# Altium PCB PCB2.PcbDoc (part 3 of 3)
Units mil, origin at the board's own origin, x right, y up, seen from the top; angles counter-clockwise.
Board outline 8661.42 x 5433.07 mil, 2 copper layers (Top Layer, Bottom Layer); 304 components, 0 nets, 1026 pads, 1089 vias.
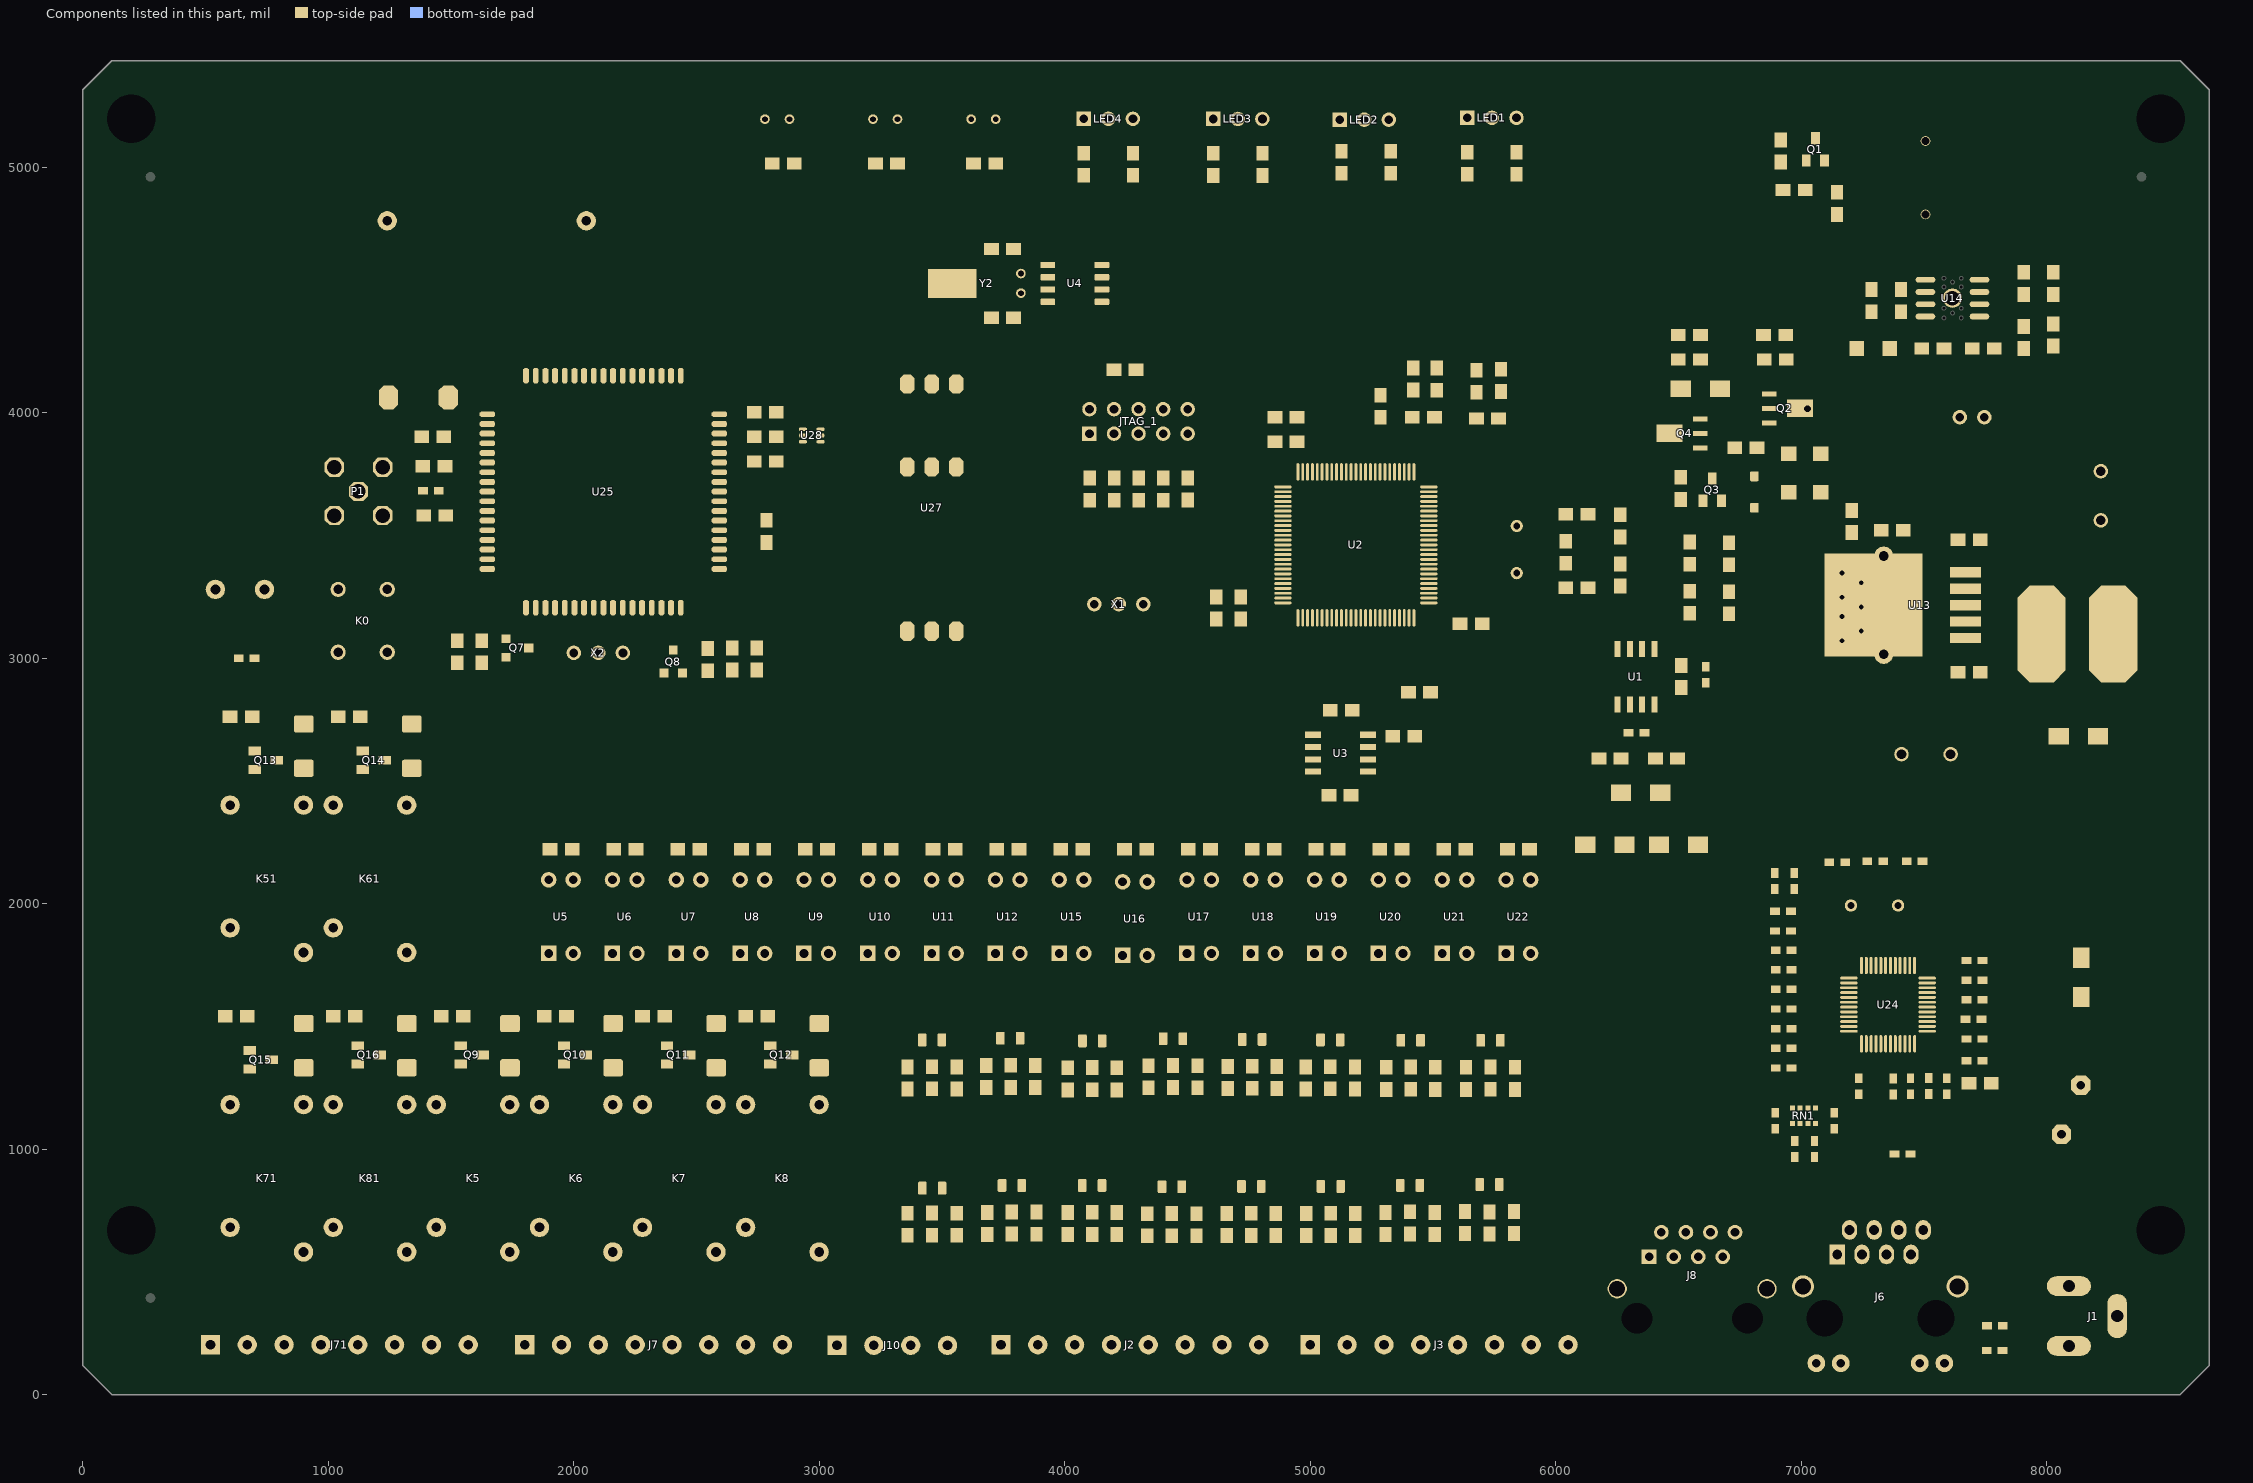
[diagram p3: the components of this part, seen from the top]

## Via types
v1: diameter 19.68, hole 11.81, Top Layer to Bottom Layer, tented both sides, 1079 vias
v2: diameter 39.37, hole 19.68, Top Layer to Bottom Layer, tented both sides, 6 vias
v3: diameter 27.56, hole 19.68, Top Layer to Bottom Layer, tented both sides, 2 vias
v4: diameter 27.56, hole 11.81, Top Layer to Bottom Layer, tented both sides, 1 vias
v5: diameter 47.24, hole 19.68, Top Layer to Bottom Layer, tented both sides, 1 vias

## Nets (pads, with @x,y where several pads share a name; then routed paths per layer and width w, separated by ;. In a path a pad name is that pad's centre, name@x,y a point inside that pad or via, vN(x,y) a via of type N, cw(c..) or ccw(c..) an arc to the next point about the centre after c; other vN are vias at no path point) (continued)
copper on no net: (continued)
  other v1: 3287.4,78.74 3828.74,78.74 4045.28,78.74 4320.87,78.74 6460.63,78.74 3454.72,88.58 3572.83,88.58 3681.1,88.58 4183.07,88.58 4685.04,88.58 4842.52,98.43 3937.01,118.11 6314.96,125.98 4537.4,127.95 6944.88,153.54 6842.52,169.29 6696.85,177.17 6437.01,192.91 6637.8,267.72 6452.76,350.39 6637.8,370.08 5374.02,393.7 5974.41,393.7 4714.57,403.54 5226.38,403.54 4124.02,413.39 4419.29,413.39 4566.93,413.39 4862.2,413.39 4921.26,413.39 5059.06,413.39 4271.65,442.91 4714.57,462.6 6598.43,464.57 4566.93,472.44 4419.29,482.28 4271.65,511.81 3641.73,551.18 3720.47,551.18 3799.21,551.18 3976.38,570.87 4055.12,570.87 5255.91,570.87 5334.65,570.87 5413.39,570.87 5570.87,570.87 5649.61,570.87 5728.35,570.87 4921.26,590.55 6102.36,600.39 4271.65,629.92 6326.77,645.67 8185.04,665.35 7960.63,673.23 6338.58,700.79 6102.36,728.35 6381.89,736.22 8192.91,803.15 4271.65,807.09 4921.26,807.09 6212.6,814.96 6977,817 3346.46,826.77 4606.3,826.77 5255.91,826.77 5570.87,826.77 7068,832 3641.73,846.46 6102.36,846.46 3976.38,866.14 4311.02,866.14 4921.26,866.14 4980.32,866.14 6939,866 8555.12,866.14 4645.67,885.83 5255.91,885.83 5570.87,885.83 6763,889 6291.34,893.7 8185.04,909.45 6413.39,921.26 4921.26,925.2 5255.91,944.88 5570.87,944.88 6102.36,944.88 7312,947 7948.82,956.69 6748,963 6212.6,980.31 6338.58,992.13 7262,1000 7107,1002 8488.19,1011.81 7584,1034 6661.42,1035.43 6102.36,1043.31 7481,1044 6752,1055 8188.98,1078.74 7767.72,1082.68 7250,1084 236.22,1102.36 7933.07,1114.17 7312,1118 1669.29,1125.98 2043.31,1125.98 2366.14,1125.98 2464.57,1125.98 2791.34,1129.92 6719,1131 1523.62,1133.86 2874.02,1133.86 8401.57,1133.86 1590.55,1137.8 1948.82,1137.8 3385.83,1141.73 3464.57,1141.73 3622.05,1141.73 3700.79,1141.73 3779.53,1141.73 3937.01,1141.73 4015.75,1141.73 4094.49,1141.73 8188.98,1157.48 4291.34,1161.42 4370.08,1161.42 4448.82,1161.42 4625.98,1161.42 4704.72,1161.42 4783.46,1161.42 8090.55,1169.29 4940.94,1181.1 5019.68,1181.1 5098.43,1181.1 1992.13,1188.98 1559.06,1196.85 2385.83,1196.85 2799.21,1200.79 5255.91,1200.79 5570.87,1220.47 6716.54,1224.41 7996.06,1236.22 1964.57,1240.16 6889.76,1240.16 6858.27,1244.09 1500,1251.97 1566.93,1251.97 5929.13,1255.91 275.59,1259.84 2771.65,1275.59 1940.94,1279.53 2377.95,1279.53 2826.77,1279.53 118.11,1299.21 8492.13,1299.21 5925.2,1346.46 7948.82,1381.89 4921.26,1397.64 5255.91,1397.64 5570.87,1397.64 354.33,1417.32 7511.81,1448.82 236.22,1456.69 3661.42,1456.69 3996.06,1456.69 4645.67,1456.69 7129.92,1456.69 7177.17,1456.69 5952.76,1460.63 5614.17,1472.44 4330.71,1476.38 7940.94,1480.31 7787.4,1492.13 7322.83,1507.87 5885.83,1519.68 5366.14,1527.56 4921.26,1531.5 7362.2,1531.5 8468.5,1535.43 7576.26,1535.94 5685.04,1539.37 7303.15,1543.31 8023.62,1543.31 5464.57,1551.18 7263.78,1551.18 7791.34,1570.87 4602.36,1574.8 7334.65,1574.8 3511.81,1598.43 5948.82,1598.43 7275.59,1598.43 236.22,1614.17 7366.14,1614.17 5137.8,1625.98 5685.04,1625.98 4822.83,1629.92 3192.91,1633.86 3736.22,1633.86 4066.93,1633.86 5370.08,1633.86 5897.64,1633.86 3830.71,1637.8 4137.8,1641.73 3358.27,1645.67 4944.88,1645.67 5460.63,1645.67 3543.31,1649.61 7795.28,1649.61 4633.86,1657.48 4885.83,1661.42 7370.08,1665.35 5633.86,1677.17 3881.89,1685.04 5720.47,1685.04 3334.65,1688.98 3393.7,1688.98 3779.53,1688.98 3830.71,1688.98 4047.24,1688.98 4106.3,1688.98 4169.29,1688.98 4574.8,1692.91 4685.04,1692.91 5098.43,1692.91 5196.85,1692.91 5350.39,1692.91 5417.32,1692.91 3192.91,1696.85 4940.94,1696.85 5468.5,1696.85 5948.82,1696.85 1590.55,1700.79 4830.71,1700.79 5866.14,1700.79 3519.69,1704.72 3578.74,1704.72 7968.5,1708.66 5677.17,1724.41 7799.21,1728.35 7173.23,1732.28 7531.5,1740.16 1413.39,1744.09 7570.87,1755.91 1511.81,1763.78 7507.87,1767.72 1625.98,1771.65 7547.24,1783.46 7594.49,1783.46 157.48,1811.02 314.96,1811.02 6649.61,1814.96 1555.12,1826.77 5996.06,1830.71 6208.66,1830.71 6314.96,1834.65 8031.5,1834.65 6539.37,1838.58 6090.55,1842.52 1452.76,1846.46 1625.98,1854.33 7413.39,1870.08 7122.05,1877.95 3051.18,1905.51 7098.43,1905.51 2968.5,1909.45 3196.85,1909.45 3307.09,1909.45 3818.9,1913.39 5543.31,1913.39 5637.8,1913.39 3444.88,1917.32 4000,1917.32 4090.55,1917.32 4263.78,1917.32 4354.33,1917.32 4492.13,1917.32 4779.53,1917.32 4870.08,1917.32 5023.62,1917.32 5795.28,1917.32 3559.06,1921.26 4594.49,1921.26 5153.54,1921.26 5299.21,1921.26 5389.76,1921.26 5893.7,1921.26 6669.29,1921.26 3716.54,1925.2 6527.56,1925.2 7980.32,1929.13 7456.69,1933.07 7759.84,1933.07 8287.4,1944.88 8452.76,1948.82 7314.96,1960.63 7629.92,1960.63 7484.25,1988.19 6594.49,2000 275.59,2007.87 7295.28,2015.75 1433.07,2031.5 6314.96,2031.5 6208.66,2035.43 1566.93,2043.31 7149.61,2047.24 7460.63,2051.18 7759.84,2059.06 7661.42,2062.99 6531.5,2078.74 6086.61,2082.68 6661.42,2082.68 7271.65,2090.55 8015.75,2090.55 8299.21,2090.55 7326.77,2094.49 7137.8,2098.43 1645.67,2110.24 6208.66,2125.98 6330.71,2125.98 1444.88,2133.86 7590.55,2149.61 196.85,2165.35 354.33,2165.35 7736.22,2165.35 677.17,2177.17 842.52,2181.1 1074.8,2181.1 1204.72,2181.1 1307.09,2181.1 1566.93,2196.85 8539.37,2196.85 1440.94,2212.6 8311.02,2228.35 7649.61,2232.28 8003.94,2248.03 4161.42,2279.53 4960.63,2283.46 1637.8,2287.4 8358.27,2287.4 1519.69,2295.28 3929.13,2295.28 4633.86,2295.28 3807.09,2299.21 7401.57,2299.21 7736.22,2299.21 4728.35,2303.15 5874.02,2303.15 5960.63,2303.15 2338.58,2311.02 2818.9,2311.02 3543.31,2311.02 2562.99,2314.96 3653.54,2314.96 3137.8,2318.9 3279.53,2322.83 4881.89,2322.83 7082.68,2322.83 2086.61,2326.77 2271.65,2326.77 3389.76,2330.71 7248.03,2338.58 7594.49,2338.58 1216.54,2354.33 751.97,2358.27 5732.28,2358.27 5834.65,2358.27 5917.32,2358.27 6000,2358.27 688.98,2362.2 2003.94,2362.2 3039.37,2362.2 4960.63,2362.2 5068.9,2372.05 5157.48,2372.05 5236.22,2372.05 5314.96,2372.05 5511.81,2372.05 1114.17,2381.89 8000,2381.89 1169.29,2385.83 2346.46,2385.83 2744.09,2385.83 2488.19,2389.76 2625.98,2393.7 2881.89,2397.64 7503.94,2397.64 236.22,2401.57 4881.89,2401.57 5364.17,2401.57 7370.08,2401.57 2228.35,2405.51 8393.7,2405.51 1582.68,2409.45 4736.22,2409.45 2078.74,2421.26 708.66,2425.2 1976.38,2425.2 7149.61,2425.2 1114.17,2433.07 1169.29,2433.07 4960.63,2440.94 5413.39,2440.94 7405.51,2444.88 7771.65,2456.69 7559.06,2460.63 4881.89,2480.31 5305.12,2480.31 5364.17,2480.31 6811.02,2480.31 681.1,2484.25 732.28,2484.25 1106.3,2484.25 1165.35,2484.25 5157.48,2519.68 7078.74,2519.68 1519.69,2527.56 1622.05,2527.56 6338.58,2529.53 6663.39,2529.53 5698.82,2539.37 7232.28,2539.37 5826.77,2549.21 354.33,2559.06 4881.89,2559.06 5157.48,2559.06 5511.81,2559.06 5994.09,2559.06 6771.65,2568.9 8374.02,2586.61 5157.48,2598.43 8535.43,2598.43 5757.87,2618.11 6702.76,2618.11 7129.92,2633.86 4881.89,2637.8 5157.48,2637.8 5866.14,2637.8 1818.9,2641.73 7696.85,2653.54 6801.18,2657.48 157.48,2677.17 6092.52,2677.17 3484.25,2681.1 3610.24,2685.04 2188.98,2688.98 3047.24,2688.98 3535.43,2688.98 7775.59,2688.98 2440.94,2696.85 2637.8,2700.79 6003.94,2706.69 6712.6,2706.69 4881.89,2716.54 6181.1,2716.54 7181.1,2720.47 6427.17,2736.22 6476.38,2736.22 5285.43,2746.06 6525.59,2746.06 3905.51,2748.03 4960.63,2755.91 5757.87,2755.91 7098.43,2755.91 7779.53,2759.84 5255.91,2775.59 7330.71,2775.59 7704.72,2783.46 5501.97,2785.43 5895.67,2785.43 4881.89,2795.28 6791.34,2795.28 6033.46,2805.12 6151.57,2805.12 7775.59,2807.09 5816.93,2824.8 6683.07,2824.8 7200.79,2826.77 5216.54,2854.33 2137.8,2870.08 2700.79,2870.08 5748.03,2874.02 5905.51,2874.02 2200.79,2877.95 2295.28,2881.89 2822.83,2885.83 2889.76,2889.76 3366.14,2889.76 3511.81,2889.76 2992.13,2893.7 3248.03,2893.7 3696.85,2893.7 6368.11,2893.7 6417.32,2893.7 7464.57,2897.64 1437.01,2901.57 787.4,2905.51 1263.78,2909.45 5216.54,2913.39 7114.17,2913.39 7275.59,2917.32 8480.32,2929.13 1700.79,2933.07 3070.87,2937.01 4393.7,2940.94 948.82,2944.88 1814.96,2948.82 1968.5,2948.82 2279.53,2948.82 3169.29,2952.76 5787.4,2952.76 1118.11,2960.63 5216.54,2962.6 1897.64,2964.57 4059.06,2964.57 4248.03,2972.44 5679.13,2982.28 3354.33,2984.25 2480.32,2988.19 3625.98,2988.19 5866.14,2992.13 3488.19,2996.06 6702.76,3021.65 7775.59,3023.62 3106.3,3031.5 3736.22,3031.5 3232.28,3039.37 5462.6,3041.34 5511.81,3041.34 5561.02,3041.34 933.07,3043.31 2291.34,3043.31 5688.98,3051.18 3657.48,3059.06 6082.68,3061.02 6791.34,3061.02 4000,3062.99 1106.3,3066.93 4137.8,3066.93 4318.9,3066.93 5777.56,3070.87 6181.1,3070.87 6515.75,3070.87 4586.61,3080.71 5462.6,3080.71 5511.81,3080.71 6643.7,3080.71 8511.81,3090.55 814.96,3094.49 4240.16,3098.43 2842.52,3102.36 2937.01,3102.36 1988.19,3110.24 2275.59,3110.24 3023.62,3110.24 2326.77,3114.17 1881.89,3118.11 2503.94,3125.98 2582.68,3125.98 2669.29,3125.98 1334.65,3129.92 3114.17,3129.92 6338.58,3129.92 2149.61,3133.86 5994.09,3139.76 1417.32,3141.73 3964.57,3141.73 6122.05,3149.61 6240.16,3149.61 6427.17,3149.61 6791.34,3149.61 3204.72,3157.48 3681.1,3157.48 1566.93,3165.35 1700.79,3165.35 2838.58,3165.35 5925.2,3188.98 6181.1,3198.82 5561.02,3208.66 6318.9,3208.66 937.01,3212.6 2909.45,3216.54 4783.46,3218.5 1330.71,3220.47 1448.82,3220.47 3000,3224.41 3098.43,3228.35 5964.57,3228.35 3960.63,3232.28 1574.8,3236.22 5866.14,3238.19 1106.3,3240.16 3212.6,3244.09 3728.35,3244.09 7787.4,3244.09 3657.48,3248.03 6629.92,3248.03 8492.13,3255.91 5561.02,3257.87 5610.24,3257.87 5314.96,3267.72 5826.77,3277.56 5895.67,3277.56 2649.61,3283.46 1980.32,3287.4 5964.57,3287.4 6397.64,3287.4 2236.22,3299.21 1862.2,3307.09 2511.81,3307.09 5098.43,3307.09 5147.64,3307.09 5196.85,3307.09 5561.02,3307.09 6787.4,3307.09 6625.98,3311.02 917.32,3314.96 5314.96,3316.93 2318.9,3326.77 7783.46,3326.77 2401.57,3334.65 5147.64,3356.3 5196.85,3356.3 2035.43,3358.27 1555.12,3362.2 5314.96,3366.14 5728.35,3366.14 6814.96,3366.14 6129.92,3370.08 6181.1,3370.08 7992.13,3370.08 1751.97,3374.02 7783.46,3385.83 1846.46,3393.7 5698.82,3395.67 5895.67,3395.67 5935.04,3395.67 5974.41,3395.67 1342.52,3409.45 8125.98,3409.45 2271.65,3413.39 2692.91,3413.39 1551.18,3433.07 7988.19,3433.07 5049.21,3435.04 6618.11,3437.01 3606.3,3440.94 1779.53,3444.88 2413.39,3448.82 3964.57,3448.82 8055.12,3448.82 2031.5,3452.76 4228.35,3452.76 4334.65,3452.76 4444.88,3452.76 874.02,3456.69 3177.17,3456.69 2909.45,3460.63 3704.72,3464.57 8437.01,3468.5 2688.98,3472.44 5049.21,3474.41 5137.8,3474.41 992.13,3480.31 1173.23,3480.31 1314.96,3484.25 6633.86,3484.25 8173.23,3484.25 4031.5,3488.19 5088.58,3494.09 783.46,3507.87 7507.87,3507.87 1566.93,3511.81 2334.65,3511.81 6444.88,3511.81 5049.21,3513.78 3110.24,3515.75 6114.17,3523.62 4696.85,3527.56 1909.45,3531.5 3960.63,3531.5 5088.58,3533.46 4614.17,3535.43 8114.17,3535.43 7956.69,3539.37 5708.66,3543.31 6484.25,3547.24 8043.31,3547.24 3610.24,3551.18 5049.21,3553.15 2681.1,3559.06 2913.39,3559.06 7535.43,3562.99 7775.59,3570.87 5748.03,3572.83 5303.15,3578.74 5330.71,3578.74 5964.57,3582.68 6440.94,3586.61 5787.4,3592.52 909.45,3594.49 1559.06,3594.49 2031.5,3594.49 2263.78,3598.43 2448.82,3598.43 6192.91,3606.3 5836.61,3612.2 5885.83,3612.2 5935.04,3612.2 692.91,3614.17 6722.44,3622.05 6751.97,3622.05 3500,3625.98 1826.77,3641.73 2972.44,3653.54 3685.04,3661.42 3405.51,3673.23 2822.83,3681.1 5216.54,3681.1 5255.91,3681.1 5295.28,3681.1 1944.88,3692.91 2740.16,3704.72 2452.76,3708.66 2338.58,3712.6 779.53,3732.28 2051.18,3748.03 3094.49,3748.03 2948.82,3755.91 7748.03,3755.91 1555.12,3757.17 7307.09,3759.84 7456.69,3759.84 7629.92,3763.78 2255.91,3767.72 3940.94,3767.72 3858.27,3779.53 1850.39,3787.4 6877.95,3803.15 688.98,3807.09 6574.8,3809.06 4070.87,3818.9 4129.92,3818.9 5814.96,3818.9 5728.35,3822.83 6338.58,3822.83 2366.14,3826.77 6232.28,3826.77 5251.97,3830.71 1968.5,3834.65 5547.24,3846.46 5984.25,3846.46 3893.7,3858.27 6110.24,3858.27 5893.7,3866.14 2287.4,3870.08 854.33,3874.02 4586.61,3877.95 4657.48,3877.95 5535.43,3877.95 5779.53,3881.89 6181.1,3889.76 1232.28,3905.51 1921.26,3905.51 5251.97,3905.51 5299.21,3905.51 5342.52,3905.51 1000,3909.45 3838.58,3913.39 2425.2,3925.2 6665.35,3925.2 1578.74,3929.13 3665.35,3929.13 6051.18,3940.94 7287.4,3944.88 7511.81,3944.88 6244.09,3948.82 5952.76,3956.69 3456.69,3960.63 724.41,3968.5 3956.69,3972.44 7409.45,3980.31 6133.86,3988.19 3874.02,3992.13 6236.22,4007.87 2019.69,4011.81 2232.28,4015.75 4590.55,4015.75 4657.48,4015.75 1846.46,4019.68 2370.08,4023.62 885.83,4031.5 1582.68,4051.18 3929.13,4051.18 5598.43,4051.18 6311.02,4051.18 6791.34,4051.18 7318.9,4051.18 7488.19,4055.12 1102.36,4059.06 4976.38,4059.06 2913.39,4062.99 3011.81,4062.99 1645.67,4066.93 3106.3,4066.93 3200.79,4066.93 5984.25,4070.87 6177.17,4078.74 6759.84,4078.74 6090.55,4086.61 5598.43,4102.36 4980.32,4122.05 5893.7,4122.05 1598.43,4133.86 771.65,4137.8 5334.65,4145.67 5594.49,4149.61 6204.72,4149.61 5972.44,4157.48 4948.82,4169.29 4881.89,4173.23 1003.94,4188.98 5594.49,4200.79 1614.17,4204.72 3232.28,4208.66 3393.7,4208.66 3500,4208.66 3661.42,4208.66 5885.83,4208.66 1192.91,4212.6 2570.87,4212.6 4547.24,4212.6 4633.86,4212.6 2901.57,4216.54 3011.81,4216.54 3937.01,4216.54 4413.39,4216.54 3114.17,4220.47 3807.09,4220.47 6023.62,4220.47 6137.8,4220.47 4909.45,4224.41 4110.24,4228.35 4850.39,4228.35 4968.5,4228.35 5299.21,4232.28 1822.83,4236.22 1933.07,4236.22 2011.81,4236.22 5248.03,4236.22 5350.39,4236.22 6775.59,4236.22 2240.16,4240.16 2389.76,4244.09 6685.04,4244.09 6409.45,4299.21 7192.91,4342.52 6704.72,4358.27 6409.45,4381.89 6318.9,4385.83 4346.46,4405.51 3877.95,4409.45 4094.49,4409.45 4259.84,4409.45 4444.88,4409.45 4559.06,4409.45 3988.19,4413.39 3291.34,4421.26 5248.03,4421.26 3440.94,4425.2 4881.89,4437.01 7035.43,4437.01 4968.5,4440.94 2933.07,4448.82 5433.07,4448.82 6807.09,4448.82 3125.98,4456.69 2673.23,4472.44 2440.94,4484.25 3740.16,4484.25 6700.79,4484.25 2204.72,4488.19 6905.51,4496.06 4881.89,4511.81 5299.21,4515.75 3314.96,4519.68 5503.94,4531.5 2870.08,4543.31 3696.85,4547.24 6429.13,4551.18 7066.93,4555.12 6307.09,4559.06 5736.22,4562.99 5870.08,4562.99 4933.07,4570.87 4807.09,4574.8 7161.42,4582.68 6059.06,4590.55 6692.91,4590.55 6850.39,4590.55 4240.16,4598.43 4358.27,4598.43 4500,4598.43 3118.11,4606.3 4669.29,4610.24 6366.14,4610.24 5405.51,4614.17 6484.25,4618.11 7350.39,4633.86 5602.36,4645.67 2511.81,4653.54 3350.39,4657.48 4862.2,4665.35 5720.47,4665.35 2413.39,4677.17 5881.89,4685.04 7248.03,4688.98 2728.35,4692.91 6208.66,4692.91 2314.96,4696.85 2897.64,4696.85 5476.38,4704.72 6023.62,4704.72 3429.13,4708.66 4771.65,4712.6 3263.78,4716.54 2448.82,4720.47 3940.94,4736.22 3043.31,4740.16 3877.95,4740.16 6976.38,4744.09 4216.54,4748.03 4456.69,4748.03 4342.52,4751.97 2669.29,4755.91 4125.98,4755.91 7051.18,4755.91 4543.31,4759.84 3791.34,4767.72 7062.99,4811.02 4405.51,4818.9 6842.52,4834.65 3818.9,4846.46 6437.01,4854.33 6700.79,4866.14 6232.28,4870.08 5992.13,4885.83 5409.45,4889.76 5574.8,4889.76 3984.25,4897.64 5740.16,4905.51 5212.6,4909.45 4996.06,4913.39 3822.83,4921.26 6440.94,4952.76 6811.02,4964.57 5488.19,4968.5 6177.17,4972.44 4496.06,4980.32 4937.01,4988.19 6700.79,5003.94 4192.91,5015.75 5551.18,5023.62 3980.32,5031.5 6279.53,5059.06 5011.81,5070.87 6059.06,5070.87 4500,5086.61 3535.43,5094.49 4929.13,5118.11 5496.06,5118.11 4409.45,5125.98 6712.6,5129.92 3984.25,5157.48 5019.68,5173.23 6448.82,5188.98 6003.94,5192.91 3425.2,5196.85 3791.34,5208.66 5425.2,5208.66 5523.62,5212.6 4496.06,5216.54 4921.26,5220.47 6232.28,5224.41 4397.64,5228.35 6700.79,5236.22 6814.96,5240.16 3972.44,5299.21 4062.99,5330.71 6641.73,5350.39 4007.87,5358.27
  other v3: 6649.61,4145.67
  other v4: 6799.21,1519.68

## Polygon pours and split planes (outlines as drawn)
no net on Bottom Layer "Bottom Layer-No Net" (solid, remove dead copper, pour order 8): 157.48,39.37 39.37,157.48 39.37,1732.28 39.37,5196.85 236.22,5393.7 314.96,5393.7 8425.2,5393.7 8622.05,5196.85 8622.05,5078.74 8622.05,157.48 8503.94,39.37 8385.83,39.37
no net on Bottom Layer "Bottom Layer-No Net" (solid, remove dead copper, pour order 7): 1889.76,1968.5 1850.39,1929.13 1850.39,1771.65 1889.76,1732.28 1968.5,1732.28 3070.87,1732.28 3149.61,1653.54 3149.61,1496.06 3149.61,590.55 2992.13,433.07 2992.13,78.74 3031.5,39.37 3346.46,39.37 6102.36,39.37 6141.73,78.74 6141.73,236.22 6141.73,1889.76 6062.99,1968.5
no net on Bottom Layer "Top Layer-No Net" (solid, pour order 6): 7474.41,4763.78 7454.73,4727.99 7454.73,4405.87 7474.41,4370.08 7750,4370.08 7769.69,4405.87 7769.69,4727.99 7750,4763.78
no net on Top Layer "Bottom Layer-No Net" (solid, remove dead copper, pour order 10): 157.48,39.37 39.37,157.48 39.37,275.59 39.37,984.25 39.37,5196.85 236.22,5393.7 314.96,5393.7 8425.2,5393.7 8622.05,5196.85 8622.05,5118.11 8622.05,157.48 8503.94,39.37 8425.2,39.37
no net on Top Layer "Bottom Layer-No Net" (solid, remove dead copper, pour order 9): 1889.76,1968.5 1850.39,1929.13 1850.39,1850.39 1850.39,1771.65 1889.76,1732.28 2007.87,1732.28 3070.87,1732.28 3149.61,1653.54 3149.61,1377.95 3149.61,590.55 3070.87,511.81 2992.13,433.07 2992.13,275.59 2992.13,78.74 3031.5,39.37 3149.61,39.37 6102.36,39.37 6141.73,78.74 6141.73,196.85 6141.73,1889.76 6102.36,1929.13 6062.99,1968.5 5826.77,1968.5
no net on Top Overlay "Top Layer-No Net" (solid): 1768.07,3267.72 1692.91,3346.46 1692.91,3464.57 1692.91,4055.12 1730.49,4094.49 1880.82,4094.49 2482.1,4094.49 2519.69,4055.12 2519.69,3937.01 2519.69,3307.09 2482.1,3267.72

## Other copper
Top Layer:
  rectangle: 6289.37,3011.81 6358.27,3061.02
  rectangle: 6407.48,3877.95 6515.75,4084.65
  rectangle: 6942.91,3897.64 7110.24,4143.7
  rectangle: 7354.41,1492.34 7382.84,1685.82
  rectangle: 7369.83,1488.19 7387.8,1641.73
  rectangle: 7369.83,1641.73 7382.84,1693.49
  rectangle: 5421.97,3173.23 5450.79,3196.85
  rectangle: 6765.75,3986.22 6805.12,4005.91
  region: 6835.63,3937.99 6854.33,3956.69 6805.12,4005.91 6786.42,3987.2
  region: 6854.33,3897.64 6878.94,3922.24 6795.28,4005.91 6770.67,3981.3
  rectangle: 6559.06,3966.54 6795.28,4005.91
  region: 7635.83,3590.55 7690.95,3645.67 7651.58,3685.04 7596.46,3629.92
  region: 7860.24,3122.05 7923.23,3185.04 7887.8,3220.47 7824.8,3157.48
  region: 7917.32,3049.21 7946.85,3078.74 7877.95,3147.64 7848.43,3118.11
  region: 7171.26,3661.42 7212.6,3702.76 7183.07,3732.28 7141.73,3690.94
  region: 7181.1,3614.17 7212.6,3645.67 7165.35,3692.91 7133.86,3661.42
  region: 7253.94,3633.86 7285.43,3665.35 7226.38,3724.41 7194.88,3692.91
  rectangle: 4855.75,3200.26 4905.75,3229.26
  rectangle: 1624.75,3785.26 1671.75,3884.26
  rectangle: 6840.55,3856.46 6899.61,3968.5
  rectangle: 1472.92,3898.81 1529.53,4090.55
  rectangle: 7332.68,4232.28 7513.78,4291.34
  rectangle: 7466.54,4232.28 7513.78,4397.64
  rectangle: 7564.96,4366.14 7671.26,4566.93
  region: 7496.07,3194.88 7525.59,3224.41 7460.63,3289.37 7431.1,3259.84
  region: 7431.1,3118.11 7521.66,3208.66 7466.54,3263.78 7375.99,3173.23
  rectangle: 3688.98,1223.43 3792.32,1266.73
  rectangle: 7618.11,2921.26 7665.35,3094.49
  region: 7661.42,3019.68 7706.34,3064.6 7674.64,3096.3 7629.72,3051.38
  rectangle: 3031.5,39.37 3267.72,374.02
  region: 3159.45,246.06 3287.4,374.02 3159.45,501.97 3031.5,374.02
  pour cut-out: 515.75,2090.55 515.75,1705.23 517.97,1703.01 519.69,1704.72 1413.39,1704.72 1413.39,2090.55
  pour cut-out: 3154.23,963.72 3153.38,964.57 3118.11,964.57 3118.11,1299.21 3102.36,1314.96 3129.92,1342.52 3145.67,1342.52
  pour cut-out: 401.57,39.37 393.7,47.24 393.7,960.63 468.5,1035.43 3126.07,1035.43 3131.47,81.94 3130.44,56.2 3130,39.37
Bottom Layer:
  rectangle: 3031.5,39.37 3188.98,374.02
  region: 3120.08,285.43 3267.72,433.07 3179.13,521.65 3031.5,374.02
  pour cut-out: 523.96,2086.61 1374.02,2086.61 1397.64,2062.99 1397.64,1718.39 1380.03,1700.79 539.37,1700.79 519.69,1720.47
  pour cut-out: 740.16,1952.76 582.68,1795.28 582.68,62.99 586.61,-102.36 3334.65,-102.36 3334.65,771.65 1566.93,771.65 1566.93,1913.39 1527.56,1952.76

## Silkscreen, mask and mechanical layers (free items; w line width, h text height)
Top Overlay:
  drawing of 333 lines, arcs and shapes, not listed
  text "RI" at 3623.13,4793.08 h78.74
  text "STATUS1" at 4015.75,4792.6 h59.06
  text "STATUS2" at 4531.5,4792.6 h59.06
  text "STATUS" at 3102.36,4788.66 h78.74
  text "STATUS3" at 5047.24,4788.66 h59.06
  text "STATUS4" at 5570.87,4788.66 h59.06
  text "NET" at 2750,4784.72 h78.74
  text "+" at 7559.06,4763.78 h78.74
  text "V2" at 5644.31,4424.97 h39.37 r270
  text "V1" at 6284.75,4313.26 h39.37 r315
  text "+" at 7893.7,3964.57 h39.37
  text "Li-Po" at 7988.19,3964.57 h78.74
  text "V0" at 7726.38,3692.91 h39.37 r270
  text "POWER" at 1007.87,3350.39 h59.06
  text "GND" at 4055.12,3303.15 h39.37
  text "TX" at 4192.91,3303.15 h39.37
  text "RX" at 4287.4,3303.15 h39.37
  text "Social_Security V2.31" at 1496.06,2598.43 h129.92
  text "20150308" at 2287.4,2440.94 h78.74
  text "报警输出" at 6299.21,1708.66 h78.74
  text "K1-K8" at 6011.81,1700.79 h39.37
  text "1-18" at 6035.43,1602.36 h39.37
  text "报警信号输入" at 6248.03,1598.43 h78.74
  text "PGND" at 6019.68,1492.13 h39.37
  text "报警信号输入地" at 6216.54,1488.19 h78.74
  text "9" at 3236.22,1409.45 h59.06
  text "J8" at 6062.99,1393.7 h39.37
  text "485通讯接口" at 6244.09,1393.7 h78.74
  text "网络通讯接口" at 6244.09,1303.15 h78.74
  text "J6" at 6062.99,1299.21 h39.37
  text "J1" at 6066.93,1200.79 h39.37
  text "电源输入端口" at 6240.16,1200.79 h78.74
  text "J4" at 6062.99,1102.36 h39.37
  text "锂电池接口" at 6267.72,1098.43 h78.74
  text "1" at 3251.97,811.02 h59.06
  text "12VDC_IN" at 7838.58,767.72 h78.74
  text "13" at 5547.24,346.46 h78.74
  text "14" at 5692.91,346.46 h78.74
  text "1" at 3708.66,342.52 h78.74
  text "4" at 4157.48,342.52 h78.74
  text "9" at 4964.57,342.52 h78.74
  text "10" at 5094.49,342.52 h78.74
  text "11" at 5255.91,342.52 h78.74
  text "12" at 5393.7,342.52 h78.74
  text "15" at 5846.46,342.52 h78.74
  text "16" at 6003.94,342.52 h78.74
  text "2" at 3862.2,338.58 h78.74
  text "3" at 4011.81,338.58 h78.74
  text "6" at 4460.63,338.58 h78.74
  text "7" at 4622.05,338.58 h78.74
  text "8" at 4767.72,338.58 h78.74
  text "K5" at 1795.28,334.65 h78.74
  text "K6" at 2100,334.65 h78.74
  text "K7" at 2400,334.65 h78.74
  text "K8" at 2712.6,334.65 h78.74
  text "PGND" at 3153.54,334.65 h78.74
  text "5" at 4314.96,334.65 h78.74
  text "K1" at 535.43,330.71 h78.74
  text "K2" at 830.71,330.71 h78.74
  text "K3" at 1129.92,330.71 h78.74
  text "K4" at 1425.2,330.71 h78.74
Bottom Overlay:
  lines w39.37: 578.74,307.09 748.03,476.38 748.03,1708.66 748.03,1795.28 ; 875.98,305.12 1169.29,598.43 1169.29,1708.66 1169.29,1807.09
  lines w78.74: 677.17,1181.1 822.83,1181.1 ; 1098.43,1181.1 1244.09,1181.1
Mechanical 1:
  lines w10: 0,157.48 0,118.11 ; 0,118.11 118.11,0 196.85,0 8464.57,0 8543.31,0 8661.42,118.11 8661.42,5314.96 8543.31,5433.07 118.11,5433.07 0,5314.96 0,118.11

## Text inside footprints (layer, text, board x,y; h text height)
JTAG_1: Top Overlay "1" at 4025.4,3894.17 h39.37